# KiCad board FD_new_testblock2.kicad_pcb (continued)
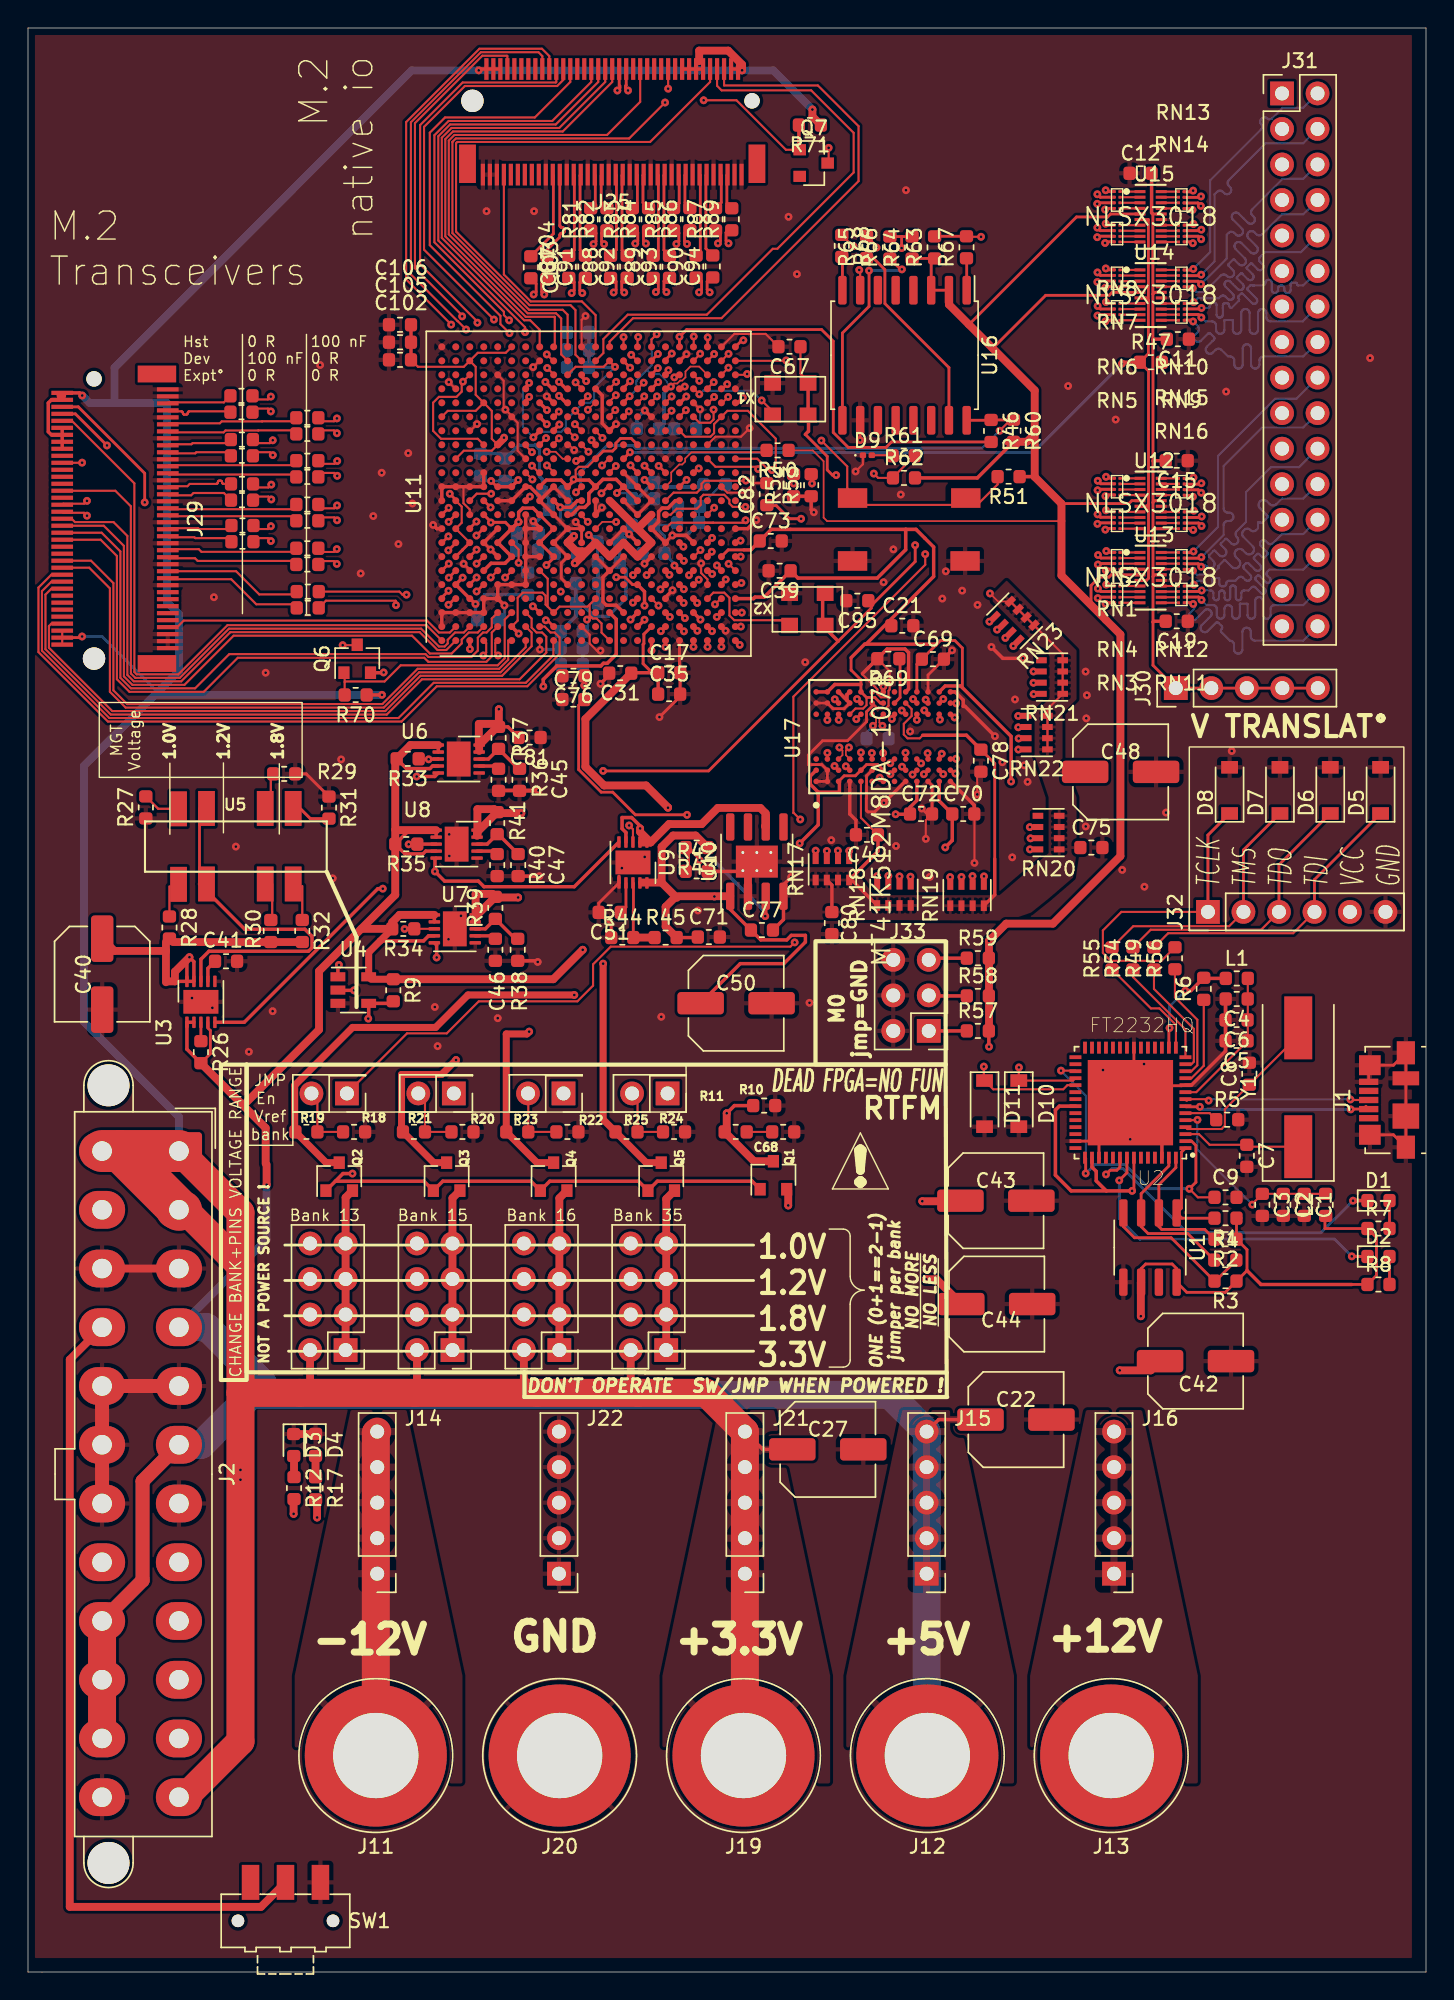
[diagram p0: board, top side]
## Routing (per net, layer and track width the routed paths; a pad name or vN(x,y) marks a point on that pad's centre or on a via; arc(x,y) is an arc through that point) (continued)
DDR_A11: length 48.6
  Top w0.15: v1(65.23,89.55) 65.18,89.6 U17.M7
  In2.Cu_SigDDR w0.15: v1(71.93,91.37) 71.72,91.37 70.58,90.23 70.29,90.23 70.24,90.24 70.19,90.25 70.15,90.28 70.11,90.32 70.08,90.36 70.07,90.41 70.05,90.51 70.04,90.56 70.01,90.6 69.97,90.64 69.93,90.67 69.88,90.68 69.83,90.69 69.79,90.69 69.74,90.68 69.69,90.67 69.65,90.64 69.61,90.6 69.58,90.56 69.57,90.51 69.55,90.41 69.54,90.36 69.51,90.32 69.47,90.28 69.43,90.25 69.38,90.24 69.33,90.23 69.29,90.23 69.23,90.24 69.18,90.25 69.13,90.28 69.09,90.32 69.06,90.37 69.05,90.42 69.04,90.48 69.04,90.59 69.03,90.65 69.02,90.7 68.99,90.75 68.95,90.79 68.9,90.82 68.85,90.83 68.79,90.84 68.73,90.83 68.68,90.82 68.63,90.79 68.59,90.75 68.56,90.7 68.55,90.65 68.54,90.59 68.54,90.48 68.53,90.42 68.52,90.37 68.49,90.32 68.45,90.28 68.4,90.25 68.35,90.24 68.29,90.23 68.23,90.24 68.18,90.25 68.13,90.28 68.09,90.32 68.06,90.37 68.05,90.42 68.04,90.48 68.04,90.89 68.03,90.95 68.02,91 67.99,91.05 67.95,91.09 67.9,91.12 67.85,91.13 67.79,91.14 67.73,91.13 67.68,91.12 67.63,91.09 67.59,91.05 67.56,91 67.55,90.95 67.54,90.89 67.54,90.48 67.53,90.42 67.52,90.37 67.49,90.32 67.45,90.28 67.4,90.25 67.35,90.24 67.29,90.23 65.35,90.23 65.23,90.11 v1(65.23,89.55)
  In4.Cu_SigDDR w0.15: v1(65.23,89.55) 64.78,90 64.78,91.37 64.56,91.37 64.55,91.38 64.54,91.4 64.54,91.41 64.54,91.43 64.54,91.45 64.55,91.46 64.57,91.49 64.58,91.5 64.58,91.52 64.58,91.53 64.58,91.55 64.57,91.56 64.56,91.58 64.34,91.79 64.33,91.8 64.32,91.81 64.3,91.81 64.28,91.81 64.27,91.81 64.25,91.8 64.23,91.78 64.21,91.77 64.2,91.77 64.18,91.77 64.16,91.77 64.15,91.78 64.14,91.79 63.92,92.01 63.91,92.02 63.9,92.03 63.9,92.05 63.9,92.07 63.9,92.08 63.91,92.1 63.93,92.12 63.94,92.14 63.94,92.15 63.94,92.17 63.94,92.18 63.93,92.2 63.92,92.21 63.71,92.43 63.69,92.44 63.68,92.44 63.66,92.45 63.65,92.45 63.63,92.44 63.62,92.44 63.59,92.42 63.58,92.41 63.56,92.41 63.54,92.41 63.53,92.41 63.51,92.42 63.5,92.43 63.29,92.64 63.28,92.66 63.27,92.67 63.26,92.69 63.26,92.7 63.27,92.72 63.28,92.73 63.3,92.76 63.3,92.77 63.31,92.79 63.31,92.8 63.3,92.82 63.3,92.84 63.29,92.85 63.07,93.06 63.06,93.07 63.04,93.08 63.03,93.08 63.01,93.08 62.99,93.08 62.98,93.07 62.95,93.05 62.94,93.05 62.92,93.04 62.91,93.04 62.89,93.05 62.88,93.05 62.86,93.06 62.65,93.28 62.64,93.29 62.63,93.31 62.63,93.32 62.63,93.34 62.63,93.35 62.64,93.37 62.66,93.39 62.67,93.41 62.67,93.42 62.67,93.44 62.67,93.46 62.66,93.47 62.65,93.48 62.43,93.7 62.42,93.71 62.41,93.72 62.39,93.72 62.37,93.72 62.36,93.72 62.34,93.71 62.32,93.69 62.3,93.68 62.29,93.68 62.27,93.68 62.26,93.68 62.24,93.69 62.23,93.7 62.01,93.92 62,93.93 62,93.94 61.99,93.96 61.99,93.98 62,93.99 62,94.01 62.02,94.03 62.03,94.05 62.03,94.06 62.03,94.08 62.03,94.09 62.02,94.11 62.01,94.12 61.8,94.34 61.78,94.35 61.77,94.35 61.75,94.36 61.74,94.36 61.72,94.35 61.71,94.35 61.69,94.34 61.64,94.29 61.64,94.29 61.61,94.25 61.6,94.24 61.59,94.24 61.58,94.24 61.57,94.24 61.55,94.24 61.54,94.24 61.54,94.25 61.29,94.5 61.28,94.51 61.28,94.52 61.27,94.53 61.27,94.54 61.28,94.55 61.28,94.56 61.29,94.57 61.37,94.66 61.38,94.67 61.39,94.68 61.4,94.7 61.4,94.72 61.39,94.73 61.38,94.75 61.37,94.76 61.16,94.97 61.15,94.98 61.13,94.99 61.12,95 61.1,95 61.08,94.99 61.07,94.98 61.06,94.97 60.74,94.66 60.7,94.63 60.66,94.61 60.61,94.6 60.56,94.6 60.51,94.61 60.46,94.63 60.43,94.66 60.39,94.7 60.37,94.75 60.36,94.8 60.36,94.85 60.37,94.89 60.39,94.94 60.43,94.98 60.53,95.08 60.56,95.12 60.58,95.17 60.59,95.22 60.59,95.27 60.58,95.32 60.56,95.36 60.53,95.4 60.35,95.58 59.95,95.58 59.9,95.59 59.85,95.6 59.81,95.63 59.77,95.67 59.74,95.71 59.73,95.76 59.72,95.81 59.72,95.95 59.72,96 59.7,96.05 59.67,96.09 59.64,96.13 59.59,96.15 59.55,96.17 59.5,96.18 59.45,96.17 59.4,96.15 59.36,96.13 59.32,96.09 59.29,96.05 59.28,96 59.27,95.95 59.27,95.21 59.27,95.16 59.25,95.11 59.22,95.07 59.19,95.04 59.14,95.01 59.1,94.99 59.05,94.99 59,94.99 58.95,95.01 58.91,95.04 58.87,95.07 58.84,95.11 58.83,95.16 58.82,95.21 58.82,95.8 58.82,95.85 58.8,95.9 58.77,95.94 58.74,95.98 58.7,96 58.65,96.02 58.6,96.03 58.59,96.03 58.54,96.02 58.5,96 58.46,95.98 58.42,95.94 58.39,95.9 58.38,95.85 58.37,95.8 58.37,95.21 58.37,95.16 58.35,95.11 58.32,95.07 58.29,95.04 58.24,95.01 58.2,94.99 58.15,94.99 58.1,94.99 58.05,95.01 58.01,95.04 57.97,95.07 57.94,95.11 57.93,95.16 57.92,95.21 57.92,95.78 57.92,95.82 57.9,95.86 57.88,95.9 57.85,95.93 57.81,95.96 57.77,95.97 57.72,95.98 57.67,95.98 57.63,95.97 57.58,95.96 57.55,95.93 57.51,95.9 57.49,95.86 57.48,95.82 57.47,95.78 57.47,95.21 57.47,95.16 57.45,95.11 57.42,95.07 57.39,95.04 57.34,95.01 57.3,94.99 57.25,94.99 57.2,94.99 57.15,95.01 57.11,95.04 57.07,95.07 57.04,95.11 57.03,95.16 57.02,95.21 57.02,95.75 57.02,95.79 57,95.83 56.98,95.86 56.96,95.89 56.92,95.91 56.89,95.92 56.85,95.93 56.74,95.93 56.71,95.92 56.67,95.91 56.64,95.89 56.61,95.86 56.59,95.83 56.58,95.79 56.57,95.75 56.57,95.21 56.57,95.16 56.55,95.11 56.52,95.07 56.49,95.04 56.44,95.01 56.4,94.99 56.35,94.99 56.3,94.99 56.25,95.01 56.21,95.04 56.17,95.07 56.14,95.11 56.13,95.16 56.12,95.21 56.12,95.75 56.12,95.79 56.1,95.83 56.08,95.86 56.06,95.89 56.02,95.91 55.99,95.92 55.95,95.93 55.84,95.93 55.81,95.92 55.77,95.91 55.74,95.89 55.71,95.86 55.69,95.83 55.68,95.79 55.67,95.72 55.65,95.68 55.63,95.65 55.61,95.62 55.57,95.6 55.54,95.59 55.5,95.58 54.8,95.58 54.77,95.62 54.75,95.67 54.73,95.72 54.73,95.77 54.75,95.81 54.77,95.86 54.8,95.9 54.9,96 54.93,96.04 54.95,96.09 54.97,96.14 54.97,96.19 54.95,96.24 54.93,96.28 54.9,96.32 54.86,96.35 54.82,96.37 54.77,96.38 54.72,96.38 54.67,96.37 54.62,96.35 54.58,96.32 54.18,95.92 54.15,95.89 54.11,95.87 54.06,95.86 54.02,95.86 53.98,95.87 53.94,95.89 53.9,95.92 53.86,95.96 53.84,95.99 53.82,96.03 53.81,96.08 53.81,96.12 53.82,96.16 53.84,96.2 53.86,96.24 54.19,96.57 54.23,96.61 54.25,96.65 54.26,96.7 54.26,96.75 54.25,96.8 54.23,96.85 54.19,96.89 54.15,96.92 54.11,96.94 54.06,96.95 54.01,96.95 53.96,96.94 53.92,96.92 53.88,96.89 53.55,96.56 53.51,96.53 53.47,96.51 53.43,96.5 53.38,96.5 53.34,96.51 53.3,96.53 53.27,96.56 53.23,96.59 53.2,96.63 53.18,96.67 53.17,96.71 53.17,96.76 53.18,96.8 53.2,96.84 53.25,96.91 53.27,96.95 53.28,96.99 53.28,97.04 53.27,97.08 53.25,97.12 53.23,97.15 53.23,97.15 53.19,97.19 53.14,97.21 53.09,97.22 53.04,97.22 52.99,97.21 52.95,97.19 52.91,97.15 52.84,97.09 52.8,97.06 52.76,97.03 52.71,97.02 52.66,97.02 52.61,97.03 52.56,97.06 52.52,97.09 52.49,97.13 52.47,97.17 52.46,97.22 52.46,97.27 52.47,97.32 52.49,97.37 52.52,97.41 52.82,97.7 52.83,97.72 52.84,97.74 52.84,97.76 52.84,97.78 52.84,97.8 52.83,97.82 52.82,97.84 52.64,98.02 52.62,98.03 52.6,98.04 52.58,98.05 52.56,98.05 52.54,98.04 52.52,98.03 52.48,98.01 52.46,98 52.44,97.99 52.42,97.99 52.4,98 52.38,98.01 52.36,98.02 51.52,98.86 48,98.86 47.44,99.42 46.36,99.42 v1(45.88,99.9)
DDR_A12: length 39.5
  Top w0.15: v1(63.58,89.53) U17.K7 ; U11.AB3 v1(51.06,97.2)
  In2.Cu_SigDDR w0.15: v1(63.58,89.53) 63.58,90.61 63.76,90.79 63.76,92.94 66.8,95.98 v1(69.32,95.98)
  In4.Cu_SigDDR w0.15: v1(63.58,89.53) 63.58,89.78 62.66,90.7 60.2,90.7 60.05,90.55 53.9,90.55 53.89,90.55 53.88,90.55 53.87,90.54 53.86,90.53 53.85,90.52 53.85,90.51 53.85,90.49 53.85,90.48 53.84,90.47 53.83,90.46 53.82,90.45 53.81,90.45 53.8,90.45 53.55,90.45 53.54,90.45 53.53,90.45 53.52,90.46 53.51,90.47 53.5,90.48 53.5,90.49 53.5,90.5 53.5,91.17 53.5,91.21 53.48,91.25 53.46,91.28 53.43,91.31 53.4,91.33 53.36,91.34 53.33,91.35 53.29,91.34 53.25,91.33 53.22,91.31 53.19,91.28 53.17,91.25 53.15,91.21 53.15,91.17 53.15,90.5 53.15,90.49 53.15,90.48 53.14,90.47 53.13,90.46 53.12,90.45 53.11,90.45 53.1,90.45 52.85,90.45 52.84,90.45 52.83,90.45 52.82,90.46 52.81,90.47 52.8,90.48 52.8,90.49 52.8,90.51 52.8,90.52 52.79,90.53 52.78,90.54 52.77,90.55 52.76,90.55 52.75,90.55 52.6,90.55 52.32,90.83 52.3,90.85 52.29,90.87 52.29,90.89 52.29,90.92 52.29,90.94 52.3,90.96 52.33,90.99 52.34,91.01 52.34,91.03 52.34,91.05 52.34,91.08 52.33,91.09 52.32,91.11 52.21,91.22 52.19,91.23 52.17,91.24 52.15,91.25 52.13,91.25 52.1,91.24 52.08,91.23 52.07,91.22 51.63,90.78 51.6,90.76 51.56,90.74 51.53,90.73 51.49,90.73 51.45,90.74 51.41,90.76 51.38,90.78 51.36,90.81 51.34,90.85 51.33,90.89 51.33,90.93 51.34,90.96 51.36,91 51.38,91.03 51.82,91.47 51.83,91.49 51.84,91.51 51.85,91.53 51.85,91.55 51.84,91.57 51.83,91.59 51.82,91.61 51.71,91.72 51.69,91.73 51.67,91.74 51.65,91.74 51.63,91.74 51.61,91.74 51.59,91.73 51.57,91.72 51.14,91.28 51.1,91.25 51.07,91.24 51.03,91.23 50.99,91.23 50.95,91.24 50.92,91.25 50.89,91.28 50.86,91.31 50.85,91.34 50.84,91.38 50.84,91.42 50.85,91.46 50.86,91.5 50.89,91.53 51.13,91.77 51.16,91.8 51.17,91.84 51.18,91.87 51.18,91.91 51.17,91.95 51.16,91.99 51.13,92.02 50.92,92.23 50.92,92.5 50.92,92.54 50.9,92.58 50.88,92.61 50.85,92.64 50.82,92.66 50.78,92.67 50.75,92.67 50.25,92.67 50.21,92.68 50.17,92.69 50.14,92.71 50.11,92.74 50.09,92.77 50.08,92.81 50.07,92.85 50.08,92.89 50.09,92.93 50.11,92.96 50.14,92.99 50.17,93.01 50.21,93.02 50.25,93.03 51.29,93.03 51.33,93.03 51.37,93.04 51.4,93.06 51.43,93.09 51.45,93.12 51.46,93.16 51.47,93.2 51.46,93.24 51.45,93.28 51.43,93.31 51.4,93.34 51.37,93.36 51.33,93.37 51.29,93.38 50.25,93.38 50.21,93.38 50.17,93.39 50.14,93.41 50.11,93.44 50.09,93.47 50.08,93.51 50.07,93.55 50.08,93.59 50.09,93.63 50.11,93.66 50.14,93.69 50.17,93.71 50.21,93.72 50.25,93.72 50.75,93.72 50.78,93.73 50.82,93.74 50.85,93.76 50.88,93.79 50.9,93.82 50.92,93.86 50.92,93.9 50.92,94.23 51.36,94.67 51.36,95.11 50.54,95.93 50.54,96.68 v1(51.06,97.2)
DDR_A13: length 46.3
  Top w0.15: U17.N3 66.36,86.73 v1(66.38,86.75) ; U11.AB8 50.75,102.35 v1(50.97,102.35)
  In2.Cu_SigDDR w0.15: v1(71.66,81.86) 71.66,82.31 70.66,83.31 70.63,83.34 70.61,83.39 70.6,83.44 70.6,83.49 70.61,83.54 70.63,83.58 70.66,83.62 70.81,83.76 70.84,83.8 70.86,83.85 70.87,83.9 70.87,83.95 70.86,84 70.84,84.04 70.81,84.08 70.77,84.11 70.72,84.13 70.67,84.15 70.62,84.15 70.57,84.13 70.53,84.11 70.49,84.08 69.96,83.55 69.92,83.52 69.87,83.5 69.83,83.49 69.77,83.49 69.73,83.5 69.68,83.52 69.64,83.55 69.61,83.59 69.59,83.64 69.58,83.69 69.58,83.74 69.59,83.79 69.61,83.83 69.64,83.87 70.1,84.33 70.13,84.37 70.15,84.41 70.16,84.46 70.16,84.51 70.15,84.56 70.13,84.61 70.1,84.65 70.06,84.68 70.01,84.7 69.96,84.71 69.91,84.71 69.86,84.7 69.82,84.68 69.78,84.65 69.71,84.58 69.67,84.55 69.63,84.52 69.58,84.51 69.53,84.51 69.48,84.52 69.43,84.55 69.39,84.58 67.22,86.75 v1(66.38,86.75)
  In4.Cu_SigDDR w0.15: v1(66.38,86.75) 68.45,86.75 69.62,87.92 69.62,92.76 66.72,95.66 66.7,95.68 66.68,95.69 66.66,95.69 66.64,95.69 66.62,95.69 66.6,95.68 66.57,95.65 66.55,95.64 66.53,95.64 66.5,95.64 66.48,95.64 66.46,95.65 66.45,95.66 66.16,95.95 66.14,95.97 66.14,95.99 66.13,96.01 66.13,96.03 66.14,96.05 66.14,96.07 66.16,96.09 66.28,96.2 66.29,96.22 66.29,96.23 66.3,96.25 66.3,96.26 66.29,96.28 66.29,96.29 66.28,96.3 65.95,96.63 65.94,96.64 65.92,96.65 65.91,96.65 65.89,96.65 65.88,96.65 65.86,96.64 65.85,96.63 65.73,96.51 65.72,96.5 65.7,96.49 65.68,96.48 65.66,96.48 65.63,96.49 65.62,96.5 65.6,96.51 65.31,96.8 65.3,96.82 65.29,96.84 65.28,96.86 65.28,96.88 65.29,96.9 65.3,96.92 65.31,96.94 65.43,97.05 65.44,97.07 65.44,97.08 65.45,97.1 65.45,97.11 65.44,97.13 65.44,97.14 65.43,97.15 65.1,97.48 65.09,97.49 65.08,97.49 65.06,97.5 65.04,97.5 65.03,97.49 65.01,97.49 65,97.48 64.89,97.36 64.87,97.35 64.85,97.34 64.83,97.33 64.81,97.33 64.79,97.34 64.77,97.35 64.75,97.36 64.46,97.65 64.45,97.67 64.44,97.68 64.43,97.71 64.43,97.73 64.44,97.75 64.45,97.77 64.46,97.78 64.58,97.9 64.59,97.91 64.59,97.93 64.6,97.94 64.6,97.96 64.59,97.97 64.59,97.99 64.58,98 64.25,98.33 64.24,98.34 64.23,98.34 64.21,98.35 64.2,98.35 64.18,98.34 64.17,98.34 64.15,98.33 64.04,98.21 64.02,98.19 64,98.19 63.98,98.18 63.96,98.18 63.94,98.19 63.92,98.19 63.9,98.21 63.61,98.5 63.6,98.51 63.59,98.53 63.58,98.55 63.58,98.58 63.59,98.6 63.6,98.62 63.61,98.63 63.73,98.75 63.74,98.76 63.75,98.78 63.75,98.79 63.75,98.81 63.75,98.82 63.74,98.84 63.73,98.85 63.41,99.17 63.39,99.18 63.38,99.19 63.36,99.19 63.35,99.19 63.33,99.19 63.32,99.18 63.31,99.17 63.19,99.06 63.17,99.04 63.15,99.03 63.13,99.03 63.11,99.03 63.09,99.03 63.07,99.04 63.05,99.06 62.76,99.35 62.75,99.36 62.74,99.38 62.74,99.4 62.74,99.42 62.74,99.45 62.75,99.46 62.76,99.48 62.88,99.6 62.89,99.61 62.9,99.63 62.9,99.64 62.9,99.66 62.9,99.67 62.89,99.69 62.88,99.7 62.56,100.02 62.54,100.03 62.53,100.04 62.51,100.04 62.5,100.04 62.48,100.04 62.47,100.03 62.46,100.02 62.34,99.91 62.32,99.89 62.3,99.88 62.28,99.88 62.26,99.88 62.24,99.88 62.22,99.89 62.2,99.91 61.92,100.19 61.9,100.21 61.89,100.23 61.89,100.25 61.89,100.27 61.89,100.29 61.9,100.31 61.92,100.33 62.03,100.45 62.04,100.46 62.05,100.47 62.05,100.49 62.05,100.5 62.05,100.52 62.04,100.53 62.03,100.55 61.71,100.87 61.7,100.88 61.68,100.89 61.67,100.89 61.65,100.89 61.64,100.89 61.62,100.88 61.61,100.87 61.49,100.75 61.47,100.74 61.45,100.73 61.43,100.73 61.41,100.73 61.39,100.73 61.37,100.74 61.36,100.75 61.07,101.04 61.05,101.06 61.04,101.08 61.04,101.1 61.04,101.12 61.04,101.14 61.05,101.16 61.07,101.18 61.18,101.3 61.19,101.31 61.2,101.32 61.2,101.34 61.2,101.35 61.2,101.37 61.19,101.38 61.18,101.4 60.86,101.72 60.85,101.73 60.83,101.74 60.82,101.74 60.8,101.74 60.79,101.74 60.77,101.73 60.76,101.72 60.71,101.67 60.71,101.67 60.64,101.61 60.62,101.59 60.6,101.58 60.58,101.58 60.56,101.58 60.54,101.58 60.52,101.59 60.5,101.61 60.22,101.89 60.2,101.91 60.19,101.93 60.19,101.95 60.19,101.97 60.19,101.99 60.2,102.01 60.23,102.05 60.24,102.07 60.24,102.09 60.24,102.11 60.24,102.13 60.23,102.15 60.22,102.16 59.89,102.49 51.11,102.49 v1(50.97,102.35)
DDR_A14: length 49.6
  Top w0.15: 66.05,89.93 v1(66.28,89.7) ; 46.87,100.93 U11.V7
  In2.Cu_SigDDR w0.15: v1(70.83,89.81) 70.82,89.82 70.39,89.82 70.37,89.82 70.36,89.83 70.35,89.84 70.34,89.85 70.33,89.86 70.32,89.87 70.32,89.9 70.31,89.92 70.31,89.93 70.29,89.94 70.28,89.95 70.27,89.96 70.25,89.96 70.04,89.96 70.02,89.96 70.01,89.95 70,89.94 69.99,89.93 69.98,89.92 69.97,89.9 69.97,89.89 69.97,89.82 69.97,89.82 69.97,89.46 69.96,89.42 69.95,89.38 69.93,89.35 69.9,89.32 69.87,89.3 69.83,89.29 69.79,89.28 69.75,89.29 69.71,89.3 69.68,89.32 69.65,89.35 69.63,89.38 69.62,89.42 69.62,89.46 69.62,89.89 69.61,89.9 69.61,89.92 69.6,89.93 69.59,89.94 69.58,89.95 69.56,89.96 69.55,89.96 69.33,89.96 69.32,89.96 69.3,89.95 69.29,89.94 69.28,89.93 69.27,89.92 69.27,89.9 69.26,89.89 69.26,89.46 69.26,89.42 69.25,89.38 69.23,89.35 69.2,89.32 69.17,89.3 69.13,89.29 69.09,89.28 69.05,89.29 69.01,89.3 68.98,89.32 68.95,89.35 68.93,89.38 68.92,89.42 68.91,89.46 68.91,89.89 68.91,89.9 68.91,89.92 68.9,89.93 68.89,89.94 68.88,89.95 68.86,89.96 68.85,89.96 68.63,89.96 68.62,89.96 68.6,89.95 68.59,89.94 68.58,89.93 68.57,89.92 68.57,89.9 68.56,89.89 68.56,89.41 68.56,89.37 68.55,89.33 68.53,89.3 68.5,89.27 68.47,89.25 68.43,89.24 68.39,89.23 68.35,89.24 68.31,89.25 68.28,89.27 68.25,89.3 68.23,89.33 68.22,89.37 68.22,89.41 68.22,89.89 68.21,89.9 68.21,89.92 68.2,89.93 68.19,89.94 68.18,89.95 68.16,89.96 68.15,89.96 67.93,89.96 67.92,89.96 67.9,89.95 67.89,89.94 67.88,89.93 67.87,89.92 67.87,89.9 67.87,89.89 67.87,89.46 67.86,89.42 67.85,89.38 67.83,89.35 67.8,89.32 67.77,89.3 67.73,89.29 67.69,89.28 67.65,89.29 67.61,89.3 67.58,89.32 67.55,89.35 67.53,89.38 67.52,89.42 67.51,89.46 67.51,89.89 67.51,89.9 67.51,89.92 67.5,89.93 67.49,89.94 67.48,89.95 67.46,89.96 67.45,89.96 67.23,89.96 67.22,89.96 67.2,89.95 67.19,89.94 67.18,89.93 67.17,89.92 67.17,89.9 67.16,89.89 67.16,89.46 67.16,89.42 67.15,89.38 67.13,89.35 67.1,89.32 67.07,89.3 67.03,89.29 66.99,89.28 66.95,89.29 66.91,89.3 66.88,89.32 66.85,89.35 66.83,89.38 66.82,89.42 66.81,89.46 66.81,89.64 66.81,89.68 66.8,89.72 66.78,89.75 66.75,89.78 66.72,89.8 66.68,89.82 66.64,89.82 66.4,89.82 v1(66.28,89.7)
  In4.Cu_SigDDR w0.15: v1(46.91,100.9) 47.31,100.9 49.09,99.12 50.16,99.12 50.81,99.77 51.25,99.77 51.45,99.57 52.03,99.57 53.4,98.2 53.6,98.2 53.64,98.2 53.68,98.18 53.71,98.16 53.74,98.13 53.76,98.1 53.77,98.06 53.78,98.03 53.78,97.68 53.78,97.64 53.79,97.6 53.81,97.57 53.84,97.54 53.87,97.52 53.91,97.51 53.95,97.5 53.99,97.51 54.03,97.52 54.06,97.54 54.09,97.57 54.11,97.6 54.12,97.64 54.12,97.68 54.12,98.3 54.13,98.32 54.13,98.34 54.15,98.36 54.16,98.38 54.18,98.39 54.2,98.4 54.22,98.4 54.38,98.4 54.4,98.4 54.42,98.39 54.44,98.38 54.45,98.36 54.47,98.34 54.47,98.32 54.47,98.3 54.47,97.63 54.48,97.59 54.49,97.55 54.51,97.52 54.54,97.49 54.57,97.47 54.61,97.46 54.65,97.45 54.69,97.46 54.73,97.47 54.76,97.49 54.79,97.52 54.81,97.55 54.82,97.59 54.82,97.63 54.82,98.3 54.83,98.32 54.83,98.34 54.85,98.36 54.86,98.38 54.88,98.39 54.9,98.4 54.92,98.4 55.08,98.4 55.1,98.4 55.12,98.39 55.14,98.38 55.15,98.36 55.17,98.34 55.17,98.32 55.18,98.3 55.18,97.63 55.18,97.59 55.19,97.55 55.21,97.52 55.24,97.49 55.27,97.47 55.31,97.46 55.35,97.45 55.39,97.46 55.43,97.47 55.46,97.49 55.49,97.52 55.51,97.55 55.52,97.59 55.53,97.63 55.53,98.3 55.53,98.32 55.53,98.34 55.55,98.36 55.56,98.38 55.58,98.39 55.6,98.4 55.62,98.4 55.78,98.4 55.8,98.4 55.82,98.39 55.84,98.38 55.85,98.36 55.87,98.34 55.87,98.32 55.88,98.3 55.88,97.63 55.88,97.59 55.89,97.55 55.91,97.52 55.94,97.49 55.97,97.47 56.01,97.46 56.05,97.45 56.09,97.46 56.13,97.47 56.16,97.49 56.19,97.52 56.21,97.55 56.22,97.59 56.22,97.63 56.22,98.3 56.23,98.32 56.23,98.34 56.25,98.36 56.26,98.38 56.28,98.39 56.3,98.4 56.32,98.4 56.48,98.4 56.5,98.4 56.52,98.39 56.54,98.38 56.55,98.36 56.57,98.34 56.57,98.32 56.57,98.3 56.57,97.63 56.58,97.59 56.59,97.55 56.61,97.52 56.64,97.49 56.67,97.47 56.71,97.46 56.75,97.45 56.79,97.46 56.83,97.47 56.86,97.49 56.89,97.52 56.91,97.55 56.92,97.59 56.93,97.63 56.93,98.3 56.93,98.32 56.93,98.34 56.95,98.36 56.96,98.38 56.98,98.39 57,98.4 57.02,98.4 57.18,98.4 57.2,98.4 57.22,98.39 57.24,98.38 57.25,98.36 57.27,98.34 57.27,98.32 57.28,98.3 57.28,97.63 57.28,97.59 57.29,97.55 57.31,97.52 57.34,97.49 57.37,97.47 57.41,97.46 57.45,97.45 57.49,97.46 57.53,97.47 57.56,97.49 57.59,97.52 57.61,97.55 57.62,97.59 57.62,97.63 57.62,98.25 57.63,98.26 57.63,98.27 57.64,98.28 57.64,98.29 57.65,98.3 57.66,98.3 57.68,98.3 57.93,98.3 57.94,98.3 57.95,98.3 57.96,98.29 57.96,98.28 57.97,98.27 57.97,98.26 57.97,98.25 57.97,97.63 57.98,97.59 57.99,97.55 58.01,97.52 58.04,97.49 58.07,97.47 58.11,97.46 58.15,97.45 58.19,97.46 58.23,97.47 58.26,97.49 58.29,97.52 58.31,97.55 58.32,97.59 58.32,97.63 58.32,98.03 58.33,98.06 58.34,98.1 58.36,98.13 58.39,98.16 58.42,98.18 58.46,98.2 58.5,98.2 58.95,98.2 59.02,98.13 59.05,98.1 59.06,98.06 59.07,98.03 59.07,97.99 59.06,97.95 59.05,97.91 59.02,97.88 58.92,97.78 58.89,97.75 58.87,97.71 58.87,97.67 58.87,97.63 58.87,97.6 58.89,97.56 58.92,97.53 58.95,97.51 58.98,97.49 59.02,97.48 59.06,97.48 59.1,97.49 59.13,97.51 59.16,97.53 59.27,97.63 59.3,97.66 59.33,97.68 59.37,97.68 59.41,97.68 59.45,97.68 59.49,97.66 59.52,97.63 59.53,97.62 59.54,97.6 59.54,97.58 59.54,97.55 59.54,97.53 59.53,97.51 59.5,97.48 59.49,97.46 59.49,97.44 59.49,97.41 59.49,97.39 59.5,97.37 59.52,97.35 59.62,97.25 59.64,97.23 59.66,97.22 59.68,97.22 59.7,97.22 59.73,97.22 59.75,97.23 59.78,97.26 59.8,97.27 59.82,97.28 59.84,97.28 59.87,97.27 59.89,97.26 59.9,97.25 60.01,97.14 60.02,97.12 60.03,97.1 60.04,97.08 60.04,97.06 60.03,97.04 60.02,97.02 60,96.98 59.99,96.96 59.98,96.94 59.98,96.92 59.99,96.9 60,96.88 60.01,96.86 60.12,96.75 60.14,96.74 60.16,96.73 60.18,96.72 60.2,96.72 60.22,96.73 60.24,96.74 60.28,96.77 60.3,96.78 60.32,96.78 60.34,96.78 60.36,96.78 60.38,96.77 60.4,96.75 60.51,96.64 60.52,96.63 60.53,96.61 60.53,96.59 60.53,96.56 60.53,96.54 60.52,96.52 60.49,96.49 60.48,96.47 60.48,96.45 60.48,96.42 60.48,96.4 60.49,96.38 60.51,96.36 60.61,96.26 60.63,96.24 60.65,96.23 60.67,96.23 60.69,96.23 60.72,96.23 60.74,96.24 60.77,96.27 60.79,96.28 60.81,96.29 60.83,96.29 60.86,96.28 60.88,96.27 60.89,96.26 61,96.15 61.01,96.13 61.02,96.11 61.03,96.09 61.03,96.07 61.02,96.05 61.01,96.03 60.99,95.99 60.98,95.97 60.97,95.95 60.97,95.93 60.98,95.91 60.99,95.89 61,95.87 61.11,95.76 61.13,95.75 61.15,95.74 61.17,95.73 61.19,95.73 61.21,95.74 61.23,95.75 61.27,95.78 61.29,95.79 61.31,95.79 61.33,95.79 61.35,95.79 61.37,95.78 61.39,95.76 61.5,95.65 61.51,95.64 61.52,95.62 61.52,95.6 61.52,95.57 61.52,95.55 61.51,95.53 61.48,95.5 61.47,95.48 61.47,95.46 61.47,95.43 61.47,95.41 61.48,95.39 61.5,95.37 61.6,95.27 61.62,95.25 61.64,95.24 61.66,95.24 61.68,95.24 61.71,95.24 61.73,95.25 61.76,95.28 61.78,95.29 61.8,95.3 61.82,95.3 61.85,95.29 61.87,95.28 61.88,95.27 61.99,95.16 62,95.14 62.01,95.12 62.02,95.1 62.02,95.08 62.01,95.06 62,95.04 61.98,95 61.97,94.98 61.96,94.96 61.96,94.94 61.97,94.92 61.98,94.9 61.99,94.88 62.1,94.77 62.12,94.76 62.14,94.75 62.16,94.74 62.18,94.74 62.2,94.75 62.22,94.76 62.26,94.79 62.28,94.8 62.3,94.8 62.32,94.8 62.34,94.8 62.36,94.79 62.38,94.77 62.49,94.66 62.5,94.65 62.51,94.63 62.51,94.61 62.51,94.58 62.51,94.56 62.5,94.54 62.47,94.51 62.46,94.49 62.46,94.47 62.46,94.44 62.46,94.42 62.47,94.4 62.49,94.38 62.59,94.28 62.61,94.26 62.63,94.25 62.65,94.25 62.67,94.25 62.7,94.25 62.72,94.26 62.75,94.29 62.77,94.3 62.79,94.31 62.81,94.31 62.84,94.3 62.86,94.29 62.87,94.28 62.98,94.17 62.99,94.15 63,94.13 63.01,94.11 63.01,94.09 63,94.07 62.99,94.05 62.97,94.01 62.96,93.99 62.95,93.97 62.95,93.95 62.96,93.93 62.97,93.91 62.98,93.89 63.09,93.78 63.11,93.77 63.13,93.76 63.15,93.75 63.17,93.75 63.19,93.76 63.21,93.77 63.25,93.8 63.27,93.81 63.29,93.81 63.31,93.81 63.33,93.81 63.35,93.8 63.37,93.78 65.92,91.23 65.92,90.06 v1(66.28,89.7)
